# Altium PCB SCAP-PI-2L.PcbDoc
Units mm, origin at the board's own origin, x right, y up, seen from the top; angles counter-clockwise.
Board outline 65 x 56.5 mm, 2 copper layers (Top Layer, Bottom Layer), stack 1.335 mm thick; 77 components, 41 nets, 305 pads, 129 vias.
Unrouted connection lines stored in the file: 1.
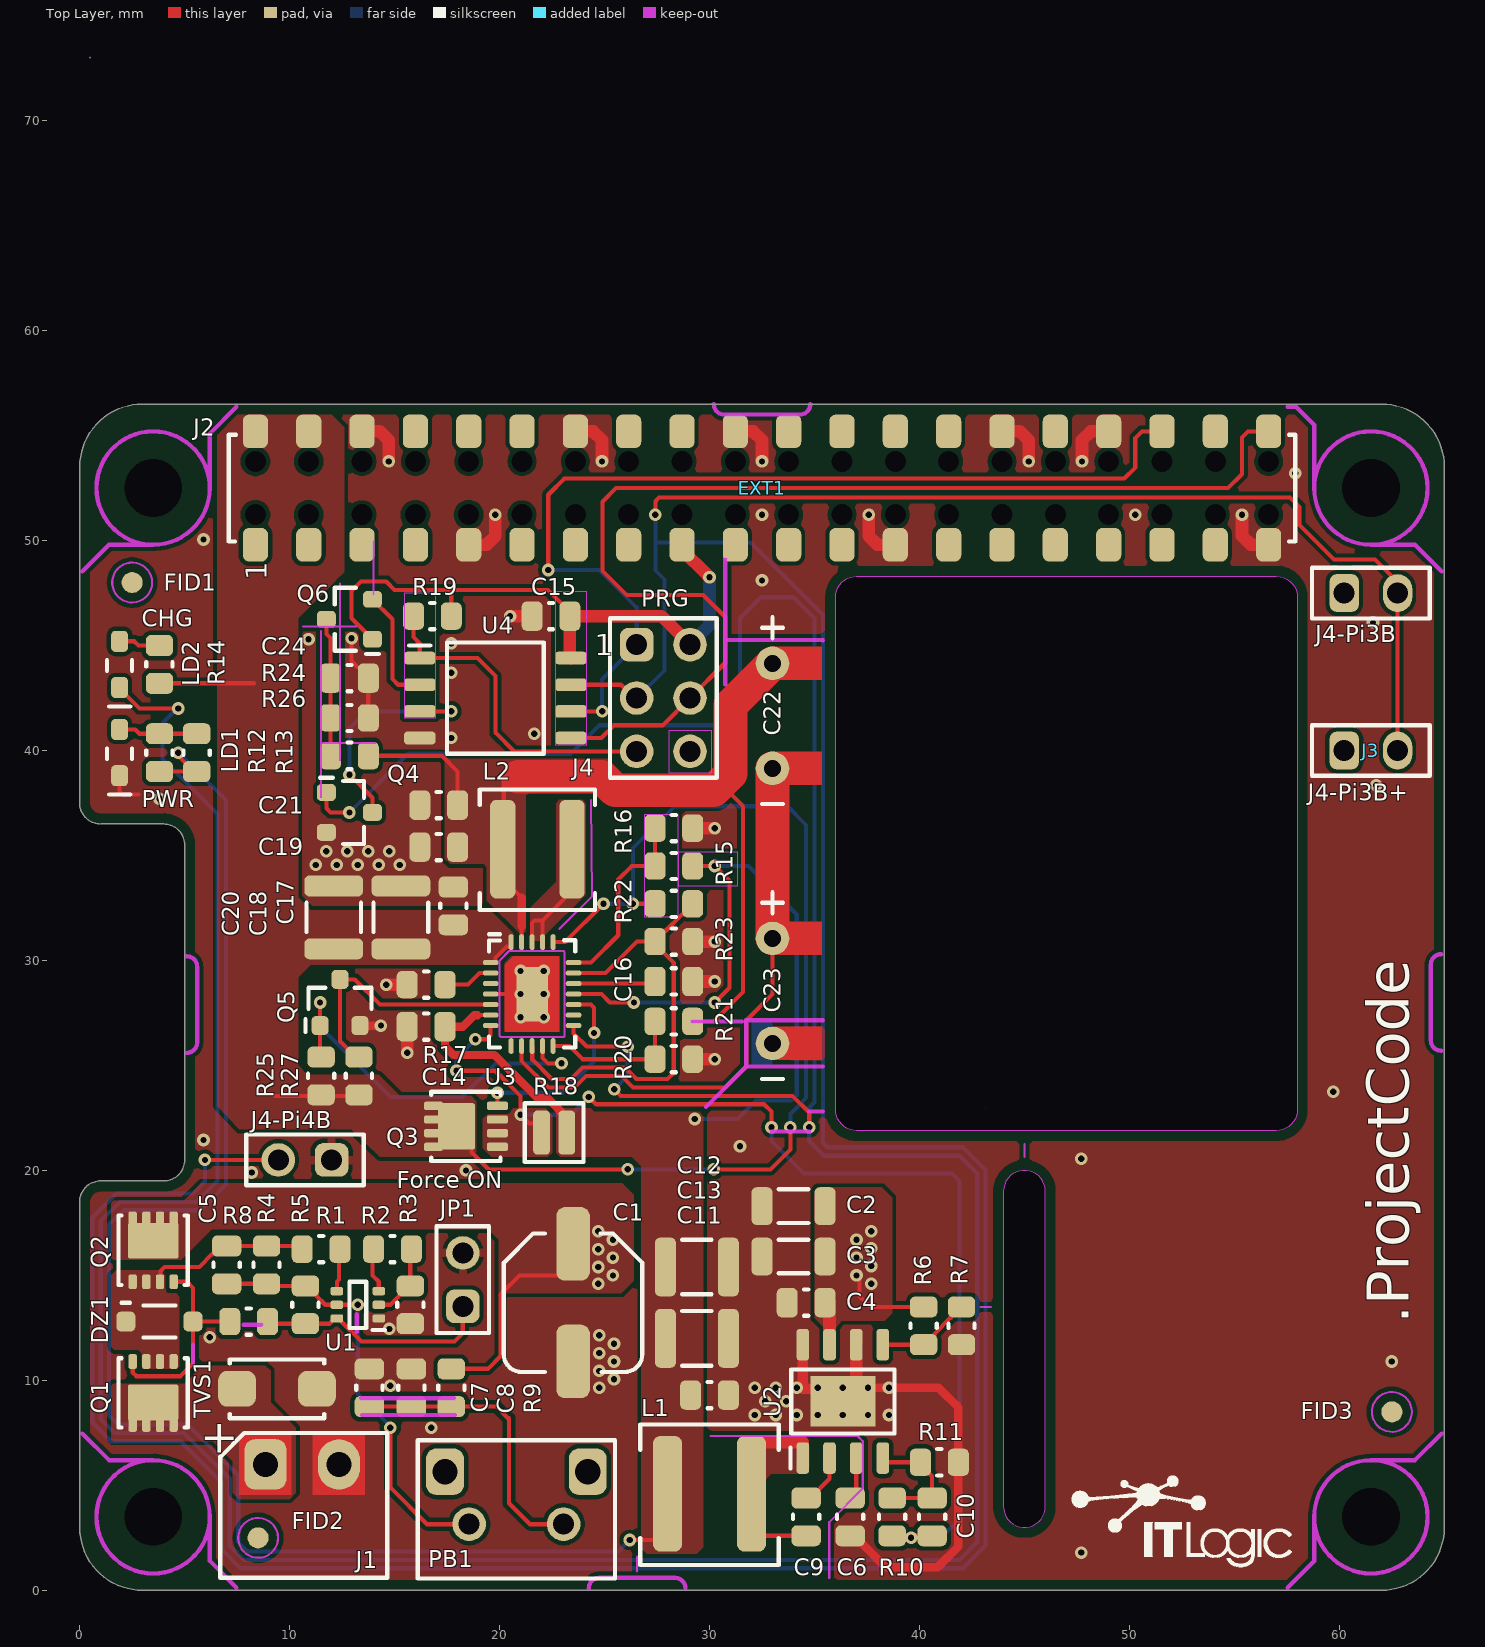
[diagram p0: Top Layer view]
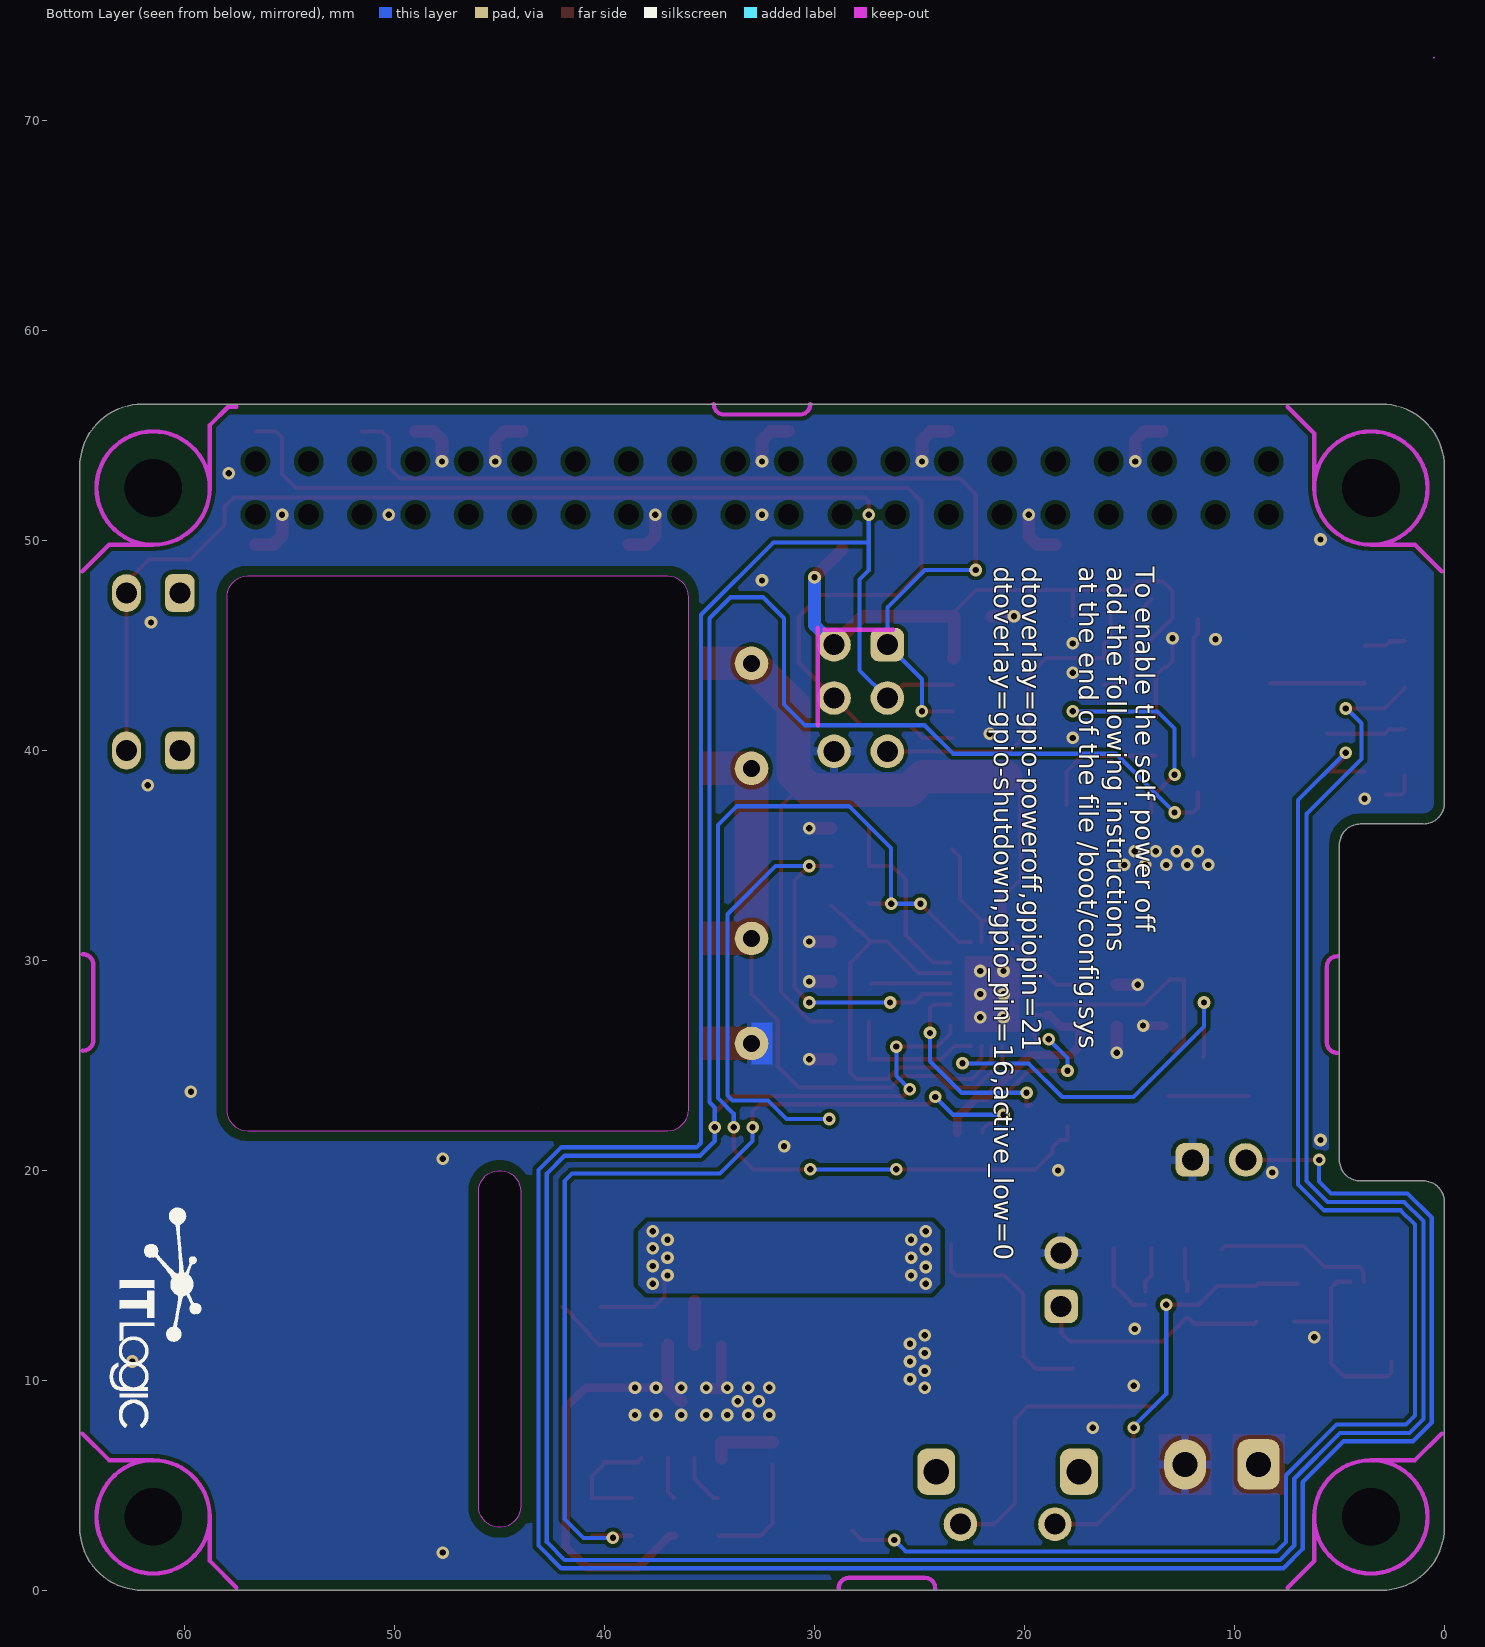
[diagram p1: Bottom Layer view, seen from below]

## Layer stack, top to bottom
Top Solder: solder mask 0.0254, SM-001, Dk 4
Top Layer: signal copper 0.035
Dielectric 2: core 1.265, Core-039, Dk 4.8
Bottom Layer: signal copper 0.035
Bottom Solder: solder mask 0.0254, SM-001, Dk 4

## Board outline
0,3 0,18.5 cw(c1,18.5) 1,19.5 4,19.5 ccw(c4,20.5) 5,20.5 5,35.5 ccw(c4,35.5) 4,36.5 1,36.5 cw(c1,37.5) 0,37.5 0,53.5 cw(c3,53.5) 3,56.5 62,56.5 cw(c62,53.5) 65,53.5 65,3 cw(c62,3) 62,0 3,0 cw(c3,3)
cut-out: 36,22.9 36,47.3 cw(c37,47.3) 37,48.3 57,48.3 cw(c57,47.3) 58,47.3 58,22.9 cw(c57,22.9) 57,21.9 37,21.9 cw(c37,22.9)
cut-out: 44,4 ccw(c45,4) 46,4 46,19 ccw(c45,19) 44,19
cut-out: 43.15,23

## Design rules (kind name [scope] priority, off if disabled: settings)
AcuteAngle [All] p1: minimum=0.00000000000000E+0000 checktracksonly=TRUE
AssemblyTestpoint [All] p1: testpointundercomponent=TRUE minsize=1 maxsize=2.5 preferedsize=1.5 minholesize=0 maxholesize=1 preferedholesize=0.8 testpointgrid=0.025 usegrid=TRUE gridtolerance=0 allowsidetop=TRUE allowsidebottom=TRUE
BoardOutlineClearance [(OnLayer('Top Layer') OR OnLayer('Bottom Layer'))] p1: gap=0.5 ignorepadtopadclearanceinfootprint=FALSE
Clearance Clearance_J2 [HasFootprint('HLE-120-02-F-DV-BE')] p1: gap=0.2 ignorepadtopadclearanceinfootprint=FALSE except(0: Arc-Hole Track-Hole SMDPad-THPad SMDPad-Hole THPad-Hole Via-Hole Fill-Hole Poly-Hole Region-Hole Text-Hole)
Clearance [All] p2: gap=0.2 ignorepadtopadclearanceinfootprint=FALSE except(0: Arc-Hole Track-Hole SMDPad-Hole THPad-Hole Via-Hole Fill-Hole Poly-Hole Region-Hole Text-Hole)
ComponentClearance "ComponentClearance FID" [Footprint Like('FID-1*')] p1: gap=0 collisioncheckmode=3 verticalgap=0 showdistances=FALSE
ComponentClearance ComponentClearance_SCAP [HasFootprint('C-SCCT20B106PRB-ORIZ')] p2: gap=0 collisioncheckmode=3 verticalgap=0 showdistances=FALSE
ComponentClearance ComponentClearance_EXT [HasFootprint('SSQ-120-03-D-BOTTOM')] p3: gap=0 collisioncheckmode=3 verticalgap=0 showdistances=FALSE
ComponentClearance [All] p4: gap=0.2 collisioncheckmode=3 verticalgap=0.2 showdistances=FALSE
DiffPairsRouting [All] p1: maxlimit=0.4 minlimit=0.2 mostfreqgap=0.2 toplayer_minwidth=0.3 toplayer_maxwidth=0.4 toplayer_prefwidth=0.3 bottomlayer_minwidth=0.3 bottomlayer_maxwidth=0.4 bottomlayer_prefwidth=0.3 maxuncoupledlength=12
FabricationTestpoint [All] p1: side=3 testpointundercomponent=TRUE minsize=1 maxsize=2.5 preferedsize=1.5 minholesize=0 maxholesize=1 preferedholesize=0.8 testpointgrid=0.025 allowsidetop=TRUE allowsidebottom=TRUE usegrid=TRUE gridtolerance=0
Height [All] p1: minheight=0 maxheight=50 prefheight=12
HoleSize [All] p1: absolutevalues=TRUE maxlimit=6 minlimit=0.3 maxpercent=80.000 minpercent=20.000
HoleToHoleClearance [All] p1: gap=0.3 allowstackedmicrovias=TRUE
MinimumAnnularRing [All] p1: minimumring=0.15
MinimumSolderMaskSliver [All] p1: minsoldermaskwidth=0.15
PlaneClearance [All] p1: clearance=0.3
PlaneConnect PlaneConnect_GND [(InNet('GND') and IsPad)] p1: pad.planeconnectstyle=Relief pad.reliefexpansion=0.3 pad.reliefentries=4 pad.reliefconductorwidth=0.5 pad.reliefairgap=0.2 via.planeconnectstyle=Direct via.reliefexpansion=0.3 via.reliefentries=4 via.reliefconductorwidth=0.5 via.reliefairgap=0.2
PlaneConnect [All] p2: planeconnectstyle=Direct reliefexpansion=0.5 reliefentries=4 reliefconductorwidth=0.2 reliefairgap=0.2
PolygonConnect [All] p1: thpad.connectstyle=Relief thpad.reliefconductorwidth=0.4 thpad.reliefentries=4 thpad.polygonreliefangle="90 Angle" thpad.airgapwidth=0.2 smdpad.connectstyle=Direct smdpad.reliefconductorwidth=0.3 smdpad.reliefentries=4 smdpad.polygonreliefangle="90 Angle" smdpad.airgapwidth=0.2 via.connectstyle=Direct via.reliefconductorwidth=0.2 via.reliefentries=4 via.polygonreliefangle="90 Angle" via.airgapwidth=0.2
RoutingCorners [All] p1: cornerstyle=45-Degree minsetback=0.5 maxsetback=2
RoutingVias [All] p1: holewidth=0.3 width=0.6 viastyle="Through Hole" minholewidth=0.3 minwidth=0.6 maxholewidth=0.6 maxwidth=1
SMDEntry [All] p1: side=TRUE corner=FALSE anyangle=TRUE
SMDToCorner [All] p1: distance=0
SilkToSilkClearance [All] p1: silktosilkclearance=0.1
SilkToSolderMaskClearance [IsPad] p1: minsilkscreentomaskgap=0.1 clearancetoexposedcopper=FALSE
SolderMaskExpansion SolderMaskExpansion-NPTH [PadIsPlated = 'False'] p1: expansion=0.1 soldermaskfromhole=TRUE
SolderMaskExpansion [All] p2: expansion=0.05
SupplyNets SupplyNets_GND [InNet('GND')] p1: voltage=0.000
SupplyNets SupplyNets+5V [InNet('+5V')] p2: voltage=5.000
SupplyNets SupplyNets+3V3 [InNet('+3V3')] p3: voltage=3.300
Width [All] p1: maxlimit=5 minlimit=0.2 preferedwidth=0.2 minimp=50.000000 maximp=50.000000 favimp=50.000000
17 further rules are at their usual default settings.

## Components (designator, comment, footprint, x,y, rotation, side; value= is the part's Value field where it differs from the comment)
C1 "100µF" C-AE-C6-H60 23.5,13.7 r270 top value=100u
C2 "10µF" C1206-H180 34,18.3 r0 top value=10u
C3 "10µF" C1206-H180 34,15.9 r0 top value=10u
C4 "100nF" C0805-H10 34.6,13.7 r0 top value=100n
C5 "10nF" C0805-H10 7,15.5 r90 top value=10n
C6 "2.2µF" C0805-H140 36.7,3.5 r90 top value=2.2u
C7 "100nF" C0805-H10 13.8,9.65 r270 top value=100n
C8 "100nF" C0805-H10 15.8,9.65 r270 top value=100n
C9 "100nF" C0805-H10 34.6,3.5 r270 top value=100n
C10 "51pF" C0805-H10 40.6,3.5 r270 top value=51p
C11 "100nF" C0805-H10 30,9.3 r180 top value=100n
C12 "100µF" C1210-H250 29.4,15.4 r180 top value=100u
C13 "100µF" C1210-H250 29.4,12 r180 top value=100u
C14 "2.2µF" C0805-H140 16.5,26.85 r0 top value=2.2u
C15 "100nF" C0805-H10 22.45,46.4 r0 top value=100n
C16 "100nF" C0805-H10 28.3,29 r180 top value=100n
C17 "100nF" C0805-H10 17.8,32.6 r270 top value=100n
C18 "100µF" C1210-H250 15.3,32.05 r270 top value=100u
C19 "100nF" C0805-H10 17.1,35.4 r0 top value=100n
C20 "100µF" C1210-H250 12.1,32.05 r270 top value=100u
C21 "2.2µF" C0805-H140 17.1,37.4 r0 top value=2.2u
C22 "10F" C-SCCT20B106PRB-ORIZ 33,41.65 r0 top value=10
C23 "10F" C-SCCT20B106PRB-ORIZ 33,28.55 r0 top value=10
C24 "100nF" C0805-H10 12.85,43.45 r180 top value=100n
DZ1 "10V" SOD-123 3.8,12.8 r0 top
EXT1 "SSQ-120-03-T-D-MEC" SSQ-120-03-D-BOTTOM 32.5,52.5 r90 top locked
FID1 "Local Fiducial" FID-1-2MM 2.5,48 r90 top
FID2 "Local Fiducial" FID-1-2MM 8.5,2.5 r90 top
FID3 "Local Fiducial" FID-1-2MM 62.5,8.5 r90 top
J1 "+24V" 691322110002 10.6,6 r0 top locked
J2 "Pi 3 GPIO" HLE-120-02-F-DV-BE 32.5,52.5 r90 top locked
J3 "Pi 3 Control" SSQ-102-01-S-BOTTOM 61.5,40 r0 top locked
J4 "PRG" HDR-V-2R-03P-5.8L 27.8,42.5 r0 top
JP1 "ALWAYS ON" HDR-V-1R-02P-5.8L 18.25,14.8 r180 top
L1 "10µH" IND-XAL6060 30,4.6 r180 top value=10u
L2 "2.2µH" IND-XAL5030 21.8,35.3 r180 top value=2.2u
LD1 "LTST-S220KGKT" LED-0805-G-SIDE 1.9,39.9 r180 top
LD2 "LTST-S220KSKT" LED-0805-Y-SIDE 1.9,44.1 r180 top
PB1 "ON/OFF" BUT-1-1825027-4 20.8,3.15 r0 top
Q1 "DMP6023LFG" PowerDI3333-8-S 3.5,9.4 r270 top
Q2 "DMP6023LFG" PowerDI3333-8-S 3.5,16.2 r90 top
Q3 "SISA88DN-T1-GE3" POWERPAK-1212-8-S 18.4,22.1 r180 top
Q4 "BSS138K-13" SOT-23 12.85,37.05 r0 top
Q5 "BSS138K-13" SOT-23 12.4,28 r90 top
Q6 "BSS138K-13" SOT-23 12.85,46.25 r180 top
R1 "100KΩ" R0805-H60 11.5,16.25 r0 top value=100K
R2 "100KΩ" R0805-H60 14.9,16.25 r180 top value=100K
R3 "100KΩ" R0805-H60 15.75,13.6 r90 top value=100K
R4 "4.7KΩ" R0805-H60 8.9,15.5 r90 top value=4.7K
R5 "10KΩ" R0805-H60 10.75,13.6 r270 top value=10K
R6 "200KΩ" R0805-H60 40.2,12.6 r90 top value=200K
R7 "39KΩ" R0805-H60 42,12.6 r90 top value=39K
R8 "200KΩ" R0805-H60 8.05,12.8 r180 top value=200K
R9 "200KΩ" R0805-H60 17.7,9.65 r90 top value=200K
R10 "88.7KΩ" R0805-H60 38.7,3.5 r270 top value=88.7K
R11 "22KΩ" R0805-H60 40.95,6.1 r180 top value=22K
R12 "4.7KΩ" R0805-H60 3.8,39.9 r270 top value=4.7K
R13 "4.7KΩ" R0805-H60 5.575,39.9 r270 top value=4.7K
R14 "4.7KΩ" R0805-H60 3.8,44.1 r90 top value=4.7K
R15 "120KΩ" R0805-H60 28.3,34.5 r0 top value=120K
R16 "39KΩ" R0805-H60 28.3,36.3 r180 top value=39K
R17 "1KΩ" R0805-H60 16.5,28.85 r0 top value=1K
R18 "10mΩ" R0508-H60 22.6,21.8 r180 top value=10m
R19 "4.7KΩ" R0805-H60 16.8,46.4 r180 top value=4.7K
R20 "200KΩ" R0805-H60 28.3,25.3 r180 top value=200K
R21 "1.05MΩ" R0805-H60 28.3,27.1 r0 top value=1.05M
R22 "1.05MΩ" R0805-H60 28.3,32.7 r180 top value=1.05M
R23 "200KΩ" R0805-H60 28.3,30.9 r180 top value=200K
R24 "100KΩ" R0805-H60 12.85,41.55 r180 top value=100K
R25 "22.1KΩ" R0805-H60 11.5,24.5 r270 top value=22.1K
R26 "200KΩ" R0805-H60 12.85,39.75 r0 top value=200K
R27 "100KΩ" R0805-H60 13.3,24.5 r270 top value=100K
TVS1 "26Vc" "DO-214AC-SMA-NO POL" 9.4,9.6 r180 top
U1 "MBT3946DW1T1G" SOT-363 13.25,13.6 r180 top
U2 "LMR23630AFDDAR" SOIC-8-N-HT 36.35,9 r90 top
U3 "LTC4041IUFD#PBF" QFN-50x40-24-THP 21.55,28.4 r0 top
U4 "ATTINY25-20SUR" SOIC-8-W 19.8,42.5 r0 top

## Footprints (in the part's own frame and the unit in brackets; to place one, negate y for a bottom-side part, rotate by r counter-clockwise, add the part's x,y. Pads: shape width x height; smd on the part's side, far side on the other; paste and mask are expansions set on the pad)
691322110002 [mm] "Conn Term Block Header 2 Pos 3.5 mm"
  rrect50% 2x2.4 hole 1.2: 1(-1.75,0)
  oval 2x2.4 hole 1.2: 2(1.75,0)
  silkscreen extent -3.9,-5.4 4.05,1.5, body extent -4.05,-8 4.05,1.2, height 7.23
BUT-1-1825027-4 [mm] "Button 1-1825027-4"
  round 1.6 hole 1: 1(-2.25,0) 2(2.25,0)
  rrect50% 1.8x2.2 hole 1.2: S(-3.4,2.5) S(3.4,2.5)
  silkscreen extent -4.7,-2.59 4.7,4, body extent -4.2,-6.15 4.2,4, height 7.02
C0805-H10 [mm] "Chip Capacitor, 2-Leads, Body 2.00x1.25mm, IPC Medium Density"
  rrect50% 1x1.4 smd: 1(-0.9,0) 2(0.9,0)
  silkscreen extent -0.1,-0.62 0.1,0.63, body extent -1,-0.62 1,0.63, height 1
C0805-H140 [mm] "Chip Capacitor, 2-Leads, Body 2.00x1.25mm, IPC Medium Density"
  rrect50% 1x1.4 smd: 1(-0.9,0) 2(0.9,0)
  silkscreen extent -0.1,-0.62 0.1,0.63, body extent -1,-0.62 1,0.63, height 1.4
C1206-H180 [mm] "Chip Capacitor, 2-Leads, Body 3.20x1.60mm, IPC Medium Density"
  rrect50% 1x1.8 smd: 1(-1.5,0) 2(1.5,0)
  silkscreen extent -0.7,-0.8 0.7,0.8, body extent -1.6,-0.8 1.6,0.8, height 1.8
C1210-H250 [mm] "Chip Capacitor, 2-Leads, Body 3.10x2.60mm, IPC Medium Density"
  rrect50% 1x2.8 smd: 1(-1.5,0) 2(1.5,0)
  silkscreen extent -0.7,-1.3 0.7,1.3, body extent -1.6,-1.25 1.6,1.25, height 2.5
C-AE-C6-H60 [mm] "Aluminum Electrolytic Capacitor, Body D 6.3mm H 6.0mm, IPC Medium Density"
  rrect50% 3.5x1.6 smd: 1(-2.8,0) 2(2.8,0)
  silkscreen extent -3.3,-3.3 3.3,3.3, body extent -3.65,-3.3 3.65,3.3, height 5.91
C-SCCT20B106PRB-ORIZ [mm] "Supercapacitors AVX 20x12.5 mm Orizontal Bottom Side"
  round 1.6 hole 0.8: 1(0,2.5) 2(0,-2.5)
  silkscreen extent -0.5,-4.2 0.5,4.7, body extent -0.3,-6.5 24.8,6.5, height 4.5
"DO-214AC-SMA-NO POL" [mm] "Molded Diode, 2-Leads, Body 4.25x2.67mm, IPC Medium Density"
  rrect50% 1.8x1.7 smd: 1(-1.9,0) 2(1.9,0)
  silkscreen extent -2.25,-1.4 2.25,1.4, body extent -2.47,-1.38 2.47,1.41, height 2.3
FID-1-2MM [mm] "Fiducial 1.0mm Diameter, 2.0mm Mask"
  round 1 smd paste-1 mask+0.5: F(0,0)
  Top Layer keep-out circle w0.1: c0,0 r0.95
HDR-V-1R-02P-5.8L [mm] "Breakaway Header - Vert - 1 Row - 2 Pos - 6 mm Lenght"
  rrect50% 1.6x1.6 hole 1: 1(0,1.27)
  round 1.6 hole 1: 2(0,-1.27)
  silkscreen extent -1.25,-2.54 1.25,2.54, body extent -1.25,-2.54 1.25,2.54, height 8.35
HDR-V-2R-03P-5.8L [mm] "Breakaway Header - Vert - 2 Row - 3 Pos - 6 mm Lenght"
  rrect50% 1.6x1.6 hole 1: 1(-1.27,2.54)
  round 1.6 hole 1: 2(1.27,2.54) 3(-1.27,0) 4(1.27,0) 5(-1.27,-2.54) 6(1.27,-2.54)
  silkscreen extent -2.54,-3.8 2.54,3.8, body extent -2.52,-3.81 2.52,3.81, height 8.35
HLE-120-02-F-DV-BE [mm] "BPost Socket Header Vert - 2 Row - 20 Pos - 10 mm Lenght"
  rrect50% 1.6x1.2 smd: 1(-2.7,24.13) 2(2.7,24.13) 3(-2.7,21.59) 4(2.7,21.59) 5(-2.7,19.05) 6(2.7,19.05) 7(-2.7,16.51) 8(2.7,16.51) 9(-2.7,13.97) 10(2.7,13.97) 11(-2.7,11.43) 12(2.7,11.43) 13(-2.7,8.89) 14(2.7,8.89) 15(-2.7,6.35) 16(2.7,6.35) 17(-2.7,3.81) 18(2.7,3.81) 19(-2.7,1.27) 20(2.7,1.27) 22(2.7,-1.27) 23(-2.7,-3.81) 24(2.7,-3.81) 25(-2.7,-6.35) 26(2.7,-6.35) 27(-2.7,-8.89) 28(2.7,-8.89) 29(-2.7,-11.43) 30(2.7,-11.43) 31(-2.7,-13.97) 32(2.7,-13.97) 33(-2.7,-16.51) 34(2.7,-16.51) 35(-2.7,-19.05) 36(2.7,-19.05) 37(-2.7,-21.59) 38(2.7,-21.59) 39(-2.7,-24.13) 40(2.7,-24.13)
  rrect50% 1.6x1.2 smd mask+0.05: 21(-2.7,-1.27)
  round 0 hole 1 unplated: ""(-1.27,24.13) ""(-1.27,21.59) ""(-1.27,16.51) ""(-1.27,19.05) ""(-1.27,13.97) ""(-1.27,11.43) ""(-1.27,8.89) ""(-1.27,6.35) ""(-1.27,3.81) ""(-1.27,-1.27) ""(-1.27,1.27) ""(-1.27,-3.81) ""(-1.27,-6.35) ""(-1.27,-8.89) ""(-1.27,-11.43) ""(-1.27,-13.97) ""(-1.27,-19.05) ""(-1.27,-16.51) ""(-1.27,-21.59) ""(-1.27,-24.13) ""(1.27,24.13) ""(1.27,21.59) ""(1.27,16.51) ""(1.27,19.05) ""(1.27,13.97) ""(1.27,11.43) ""(1.27,8.89) ""(1.27,6.35) ""(1.27,3.81) ""(1.27,-1.27) ""(1.27,1.27) ""(1.27,-3.81) ""(1.27,-6.35) ""(1.27,-8.89) ""(1.27,-11.43) ""(1.27,-13.97) ""(1.27,-19.05) ""(1.27,-16.51) ""(1.27,-21.59) ""(1.27,-24.13)
  silkscreen extent -2.54,-25.4 2.54,25.4, body extent -3.29,-25.4 3.29,25.4, height 3.67
IND-XAL5030 [mm] "Inductor - Coilcraft XAL5030 Series"
  rrect50% 1.2x4.7 smd: 1(-1.65,0) 2(1.65,0)
  silkscreen extent -2.74,-2.84 2.74,2.9, body extent -2.74,-2.84 2.74,2.84, height 3.11
IND-XAL6060 [mm] "Inductor - Coilcraft XAL6060 Series"
  rrect50% 1.4x5.5 smd: 1(-2,0) 2(2,0)
  silkscreen extent -3.3,-3.3 3.3,3.4, body extent -3.28,-3.38 3.28,3.38, height 6.11
LED-0805-G-SIDE [mm] "Chip LED, Green, 2-Leads, Side View, Body 2.00x1.25mm, IPC Medium Density"
  rrect50% 0.8x1 smd: 1(0,1.1) 2(0,-1.1)
  silkscreen extent -0.6,-0.2 0.6,2, body extent -0.25,-1.05 0.77,1.05, height 0.6
LED-0805-Y-SIDE [mm] "Chip LED, Yellow, 2-Leads, Side View, Body 2.00x1.25mm, IPC Medium Density"
  rrect50% 0.8x1 smd: 1(0,1.1) 2(0,-1.1)
  silkscreen extent -0.6,-0.2 0.6,2, body extent -0.25,-1.05 0.77,1.05, height 0.6
PowerDI3333-8-S [mm] "PowerDI3333-8 Single"
  rrect50% 0.7x0.4 smd paste-0.04: 1(-1.5,0.975) 1(-1.5,-0.325) 1(-1.5,0.325) 2(-1.5,-0.975) 3(1.5,0.975) 3(1.5,-0.325) 3(1.5,0.325) 3(1.5,-0.975)
  rrect10% 1.7x2.4 smd paste-2.4: 3(0.45,0)
  silkscreen extent -1.65,-1.65 1.65,1.65, body extent -1.65,-1.65 1.65,1.65, height 0.82
POWERPAK-1212-8-S [mm] "PowerPAK 1212-8 Single"
  rrect50% 1x0.4 smd: 1(-1.5,0.975) 1(-1.5,-0.325) 1(-1.5,0.325) 2(-1.5,-0.975)
  rrect10% 1.75x2.2 smd paste-2.2: 3(0.45,0)
  rrect50% 0.9x0.4 smd: 3(1.55,0.975) 3(1.55,-0.325) 3(1.55,0.325) 3(1.55,-0.975)
  silkscreen extent -1.65,-1.65 1.65,1.65, body extent -1.65,-1.65 1.65,1.65, height 1.04
QFN-50x40-24-THP [mm] "QFN, 24-Leads, Body 4.00x5.00mm, Pitch 0.50mm, Thermal Pad 2.65x3.65mm, IPC Medium Density"
  oval 0.75x0.25 smd paste-0.04: 1(-1.975,1.5) 2(-1.975,1) 3(-1.975,0.5) 4(-1.975,0) 5(-1.975,-0.5) 6(-1.975,-1) 7(-1.975,-1.5) 13(1.975,-1.5) 14(1.975,-1) 15(1.975,-0.5) 16(1.975,0) 17(1.975,0.5) 18(1.975,1) 19(1.975,1.5)
  oval 0.25x0.75 smd paste-0.04: 8(-1,-2.475) 9(-0.5,-2.475) 10(0,-2.475) 11(0.5,-2.475) 12(1,-2.475) 20(1,2.475) 21(0.5,2.475) 22(0,2.475) 23(-0.5,2.475) 24(-1,2.475)
  rect 1.5x2.6 smd paste-2.6: 25(0,0)
  Top Layer region: -1.3,-1.75 -1.296,-1.769 -1.285,-1.785 -1.269,-1.796 -1.25,-1.8 -1.25,-1.8 1.25,-1.8 1.269,-1.796 1.285,-1.785 1.296,-1.769 1.3,-1.75 1.3,-1.75 1.3,1.75 1.296,1.769 1.285,1.785 1.269,1.796 1.25,1.8 1.25,1.8 -0.9,1.8 -1.3,1.4
  silkscreen extent -2.06,-2.55 2.05,2.85, body extent -2.06,-2.56 2.06,2.56, height 0.8
R0508-H60 [mm] "Chip Resistor, 2-Leads, Body 1.25x2.00mm, IPC Medium Density"
  rrect50% 0.8x2.1 smd: 1(-0.6,0) 2(0.6,0)
  silkscreen extent -1.4,-1.4 1.4,1.4, body extent -0.63,-1 0.63,1, height 0.6
R0805-H60 [mm] "Chip Resistor, 2-Leads, Body 2.00x1.25mm, IPC Medium Density"
  rrect50% 1x1.3 smd: 1(-0.9,0) 2(0.9,0)
  silkscreen extent -0.1,-0.62 0.1,0.63, body extent -1,-0.62 1,0.63, height 0.6
SOD-123 [mm] "SOD 123"
  rrect50% 0.9x0.95 smd: 1(-1.6,0) 2(1.6,0)
  silkscreen extent -1.8,-0.76 0.76,0.9, body extent -1.85,-0.77 1.85,0.78, height 1.26
SOIC-8-N-HT [mm] "SOIC 8 Pin - Thermal Pad - TI R-PDSO-G8"
  rrect50% 1.5x0.6 smd: 1(-2.7,1.905) 2(-2.7,0.635) 3(-2.7,-0.635) 4(-2.7,-1.905) 5(2.7,-1.905) 6(2.7,-0.635) 7(2.7,0.635) 8(2.7,1.905)